# Altium PCB DIOT_Backplane.pcbdoc (part 1 of 11)
Units mm, origin at the board's own origin, x right, y up, seen from the top; angles counter-clockwise.
Board outline 304.8 x 128.5 mm, 14 copper layers (Top Layer, L2, L3GND, L4, L5GND, L6, L7GND, L8, L9GND, L10, L11GND, L12, L13GND, Bottom Layer), stack 4.06 mm thick; 141 components, 1224 nets, 5318 pads, 471 vias.
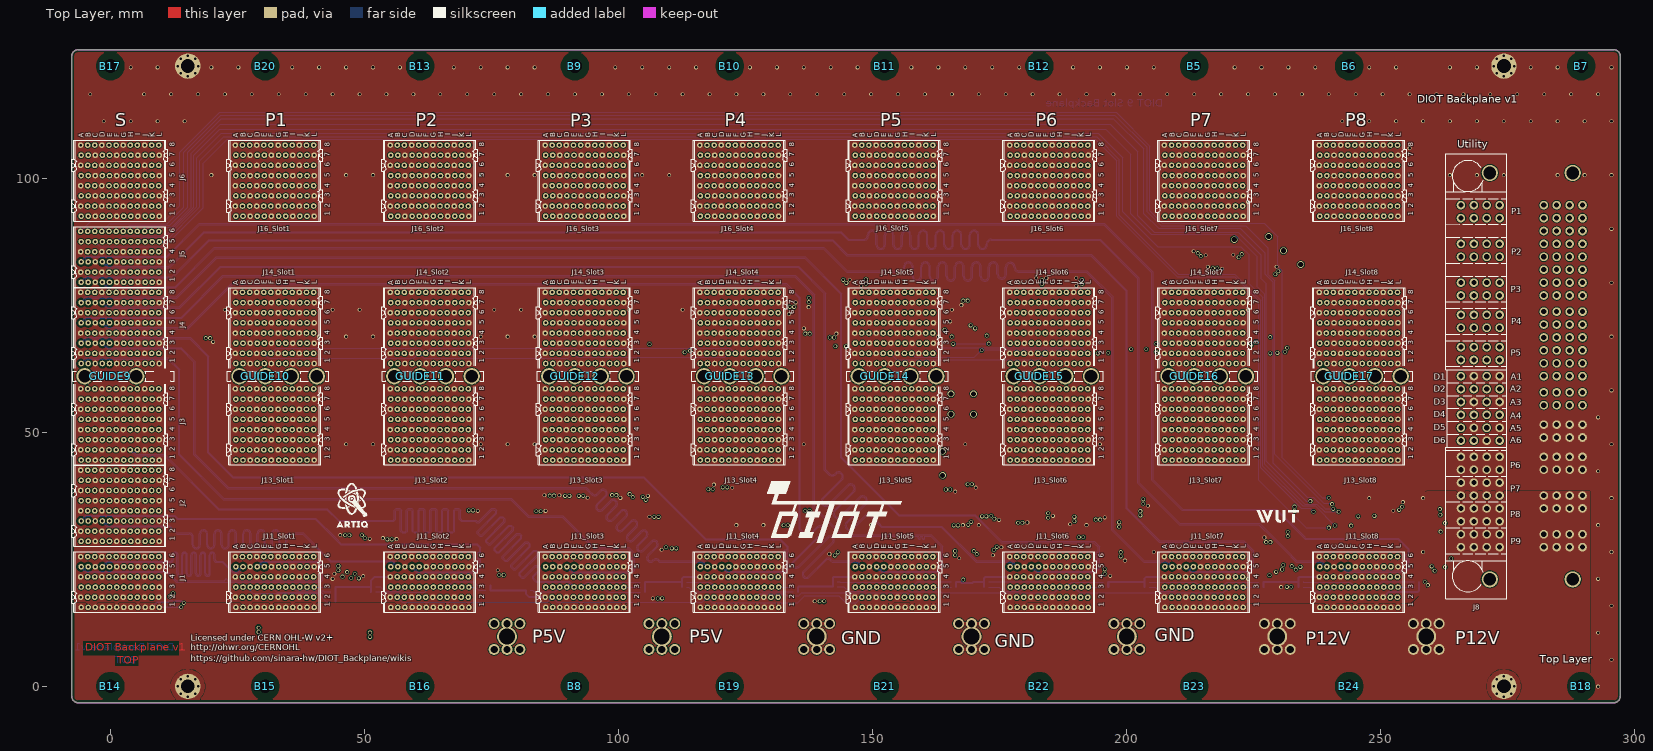
[diagram p0: Top Layer view]
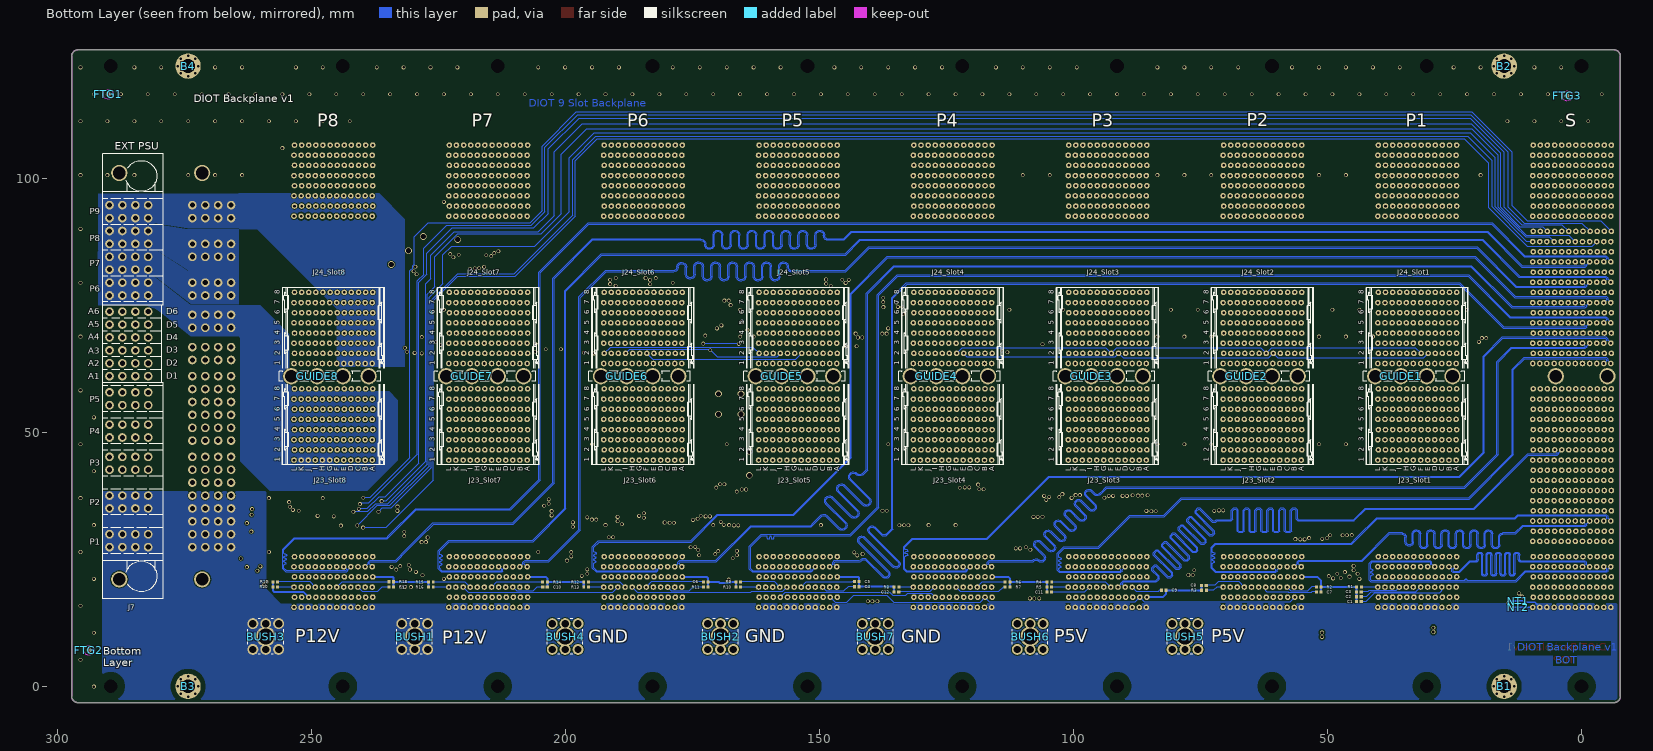
[diagram p1: Bottom Layer view, seen from below]
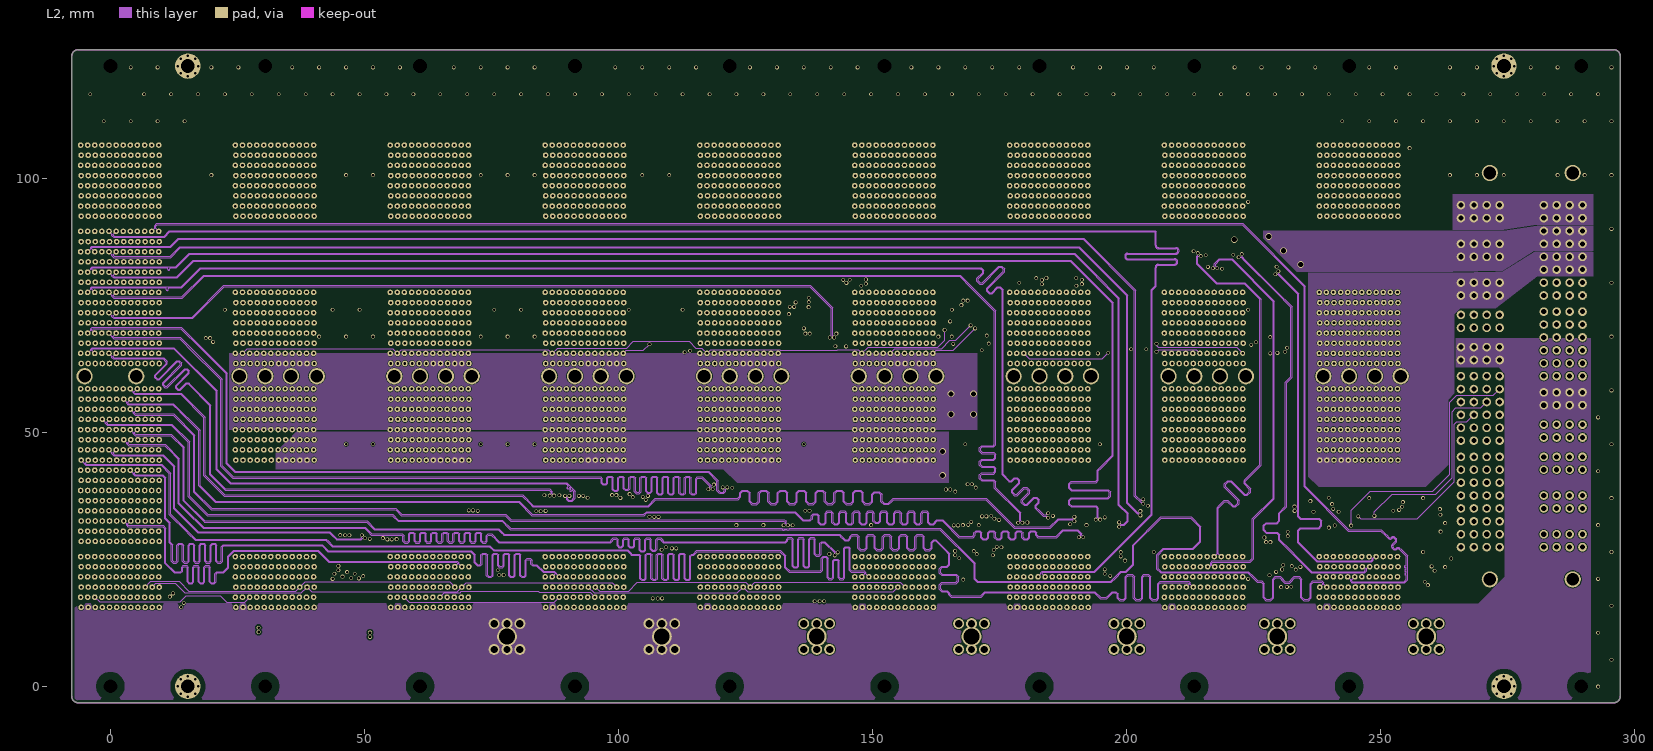
[diagram p2: L2]
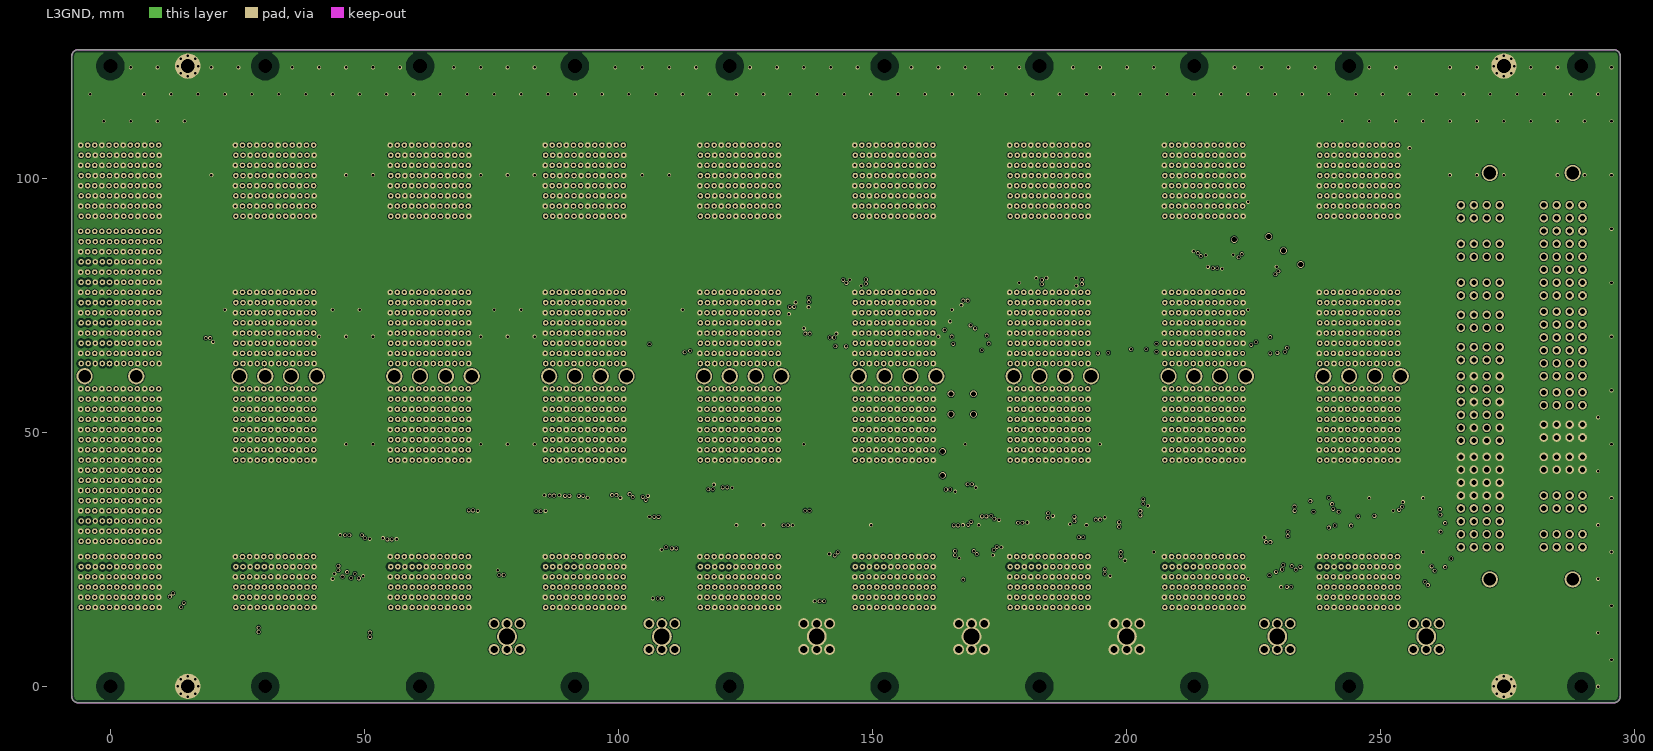
[diagram p3: L3GND]
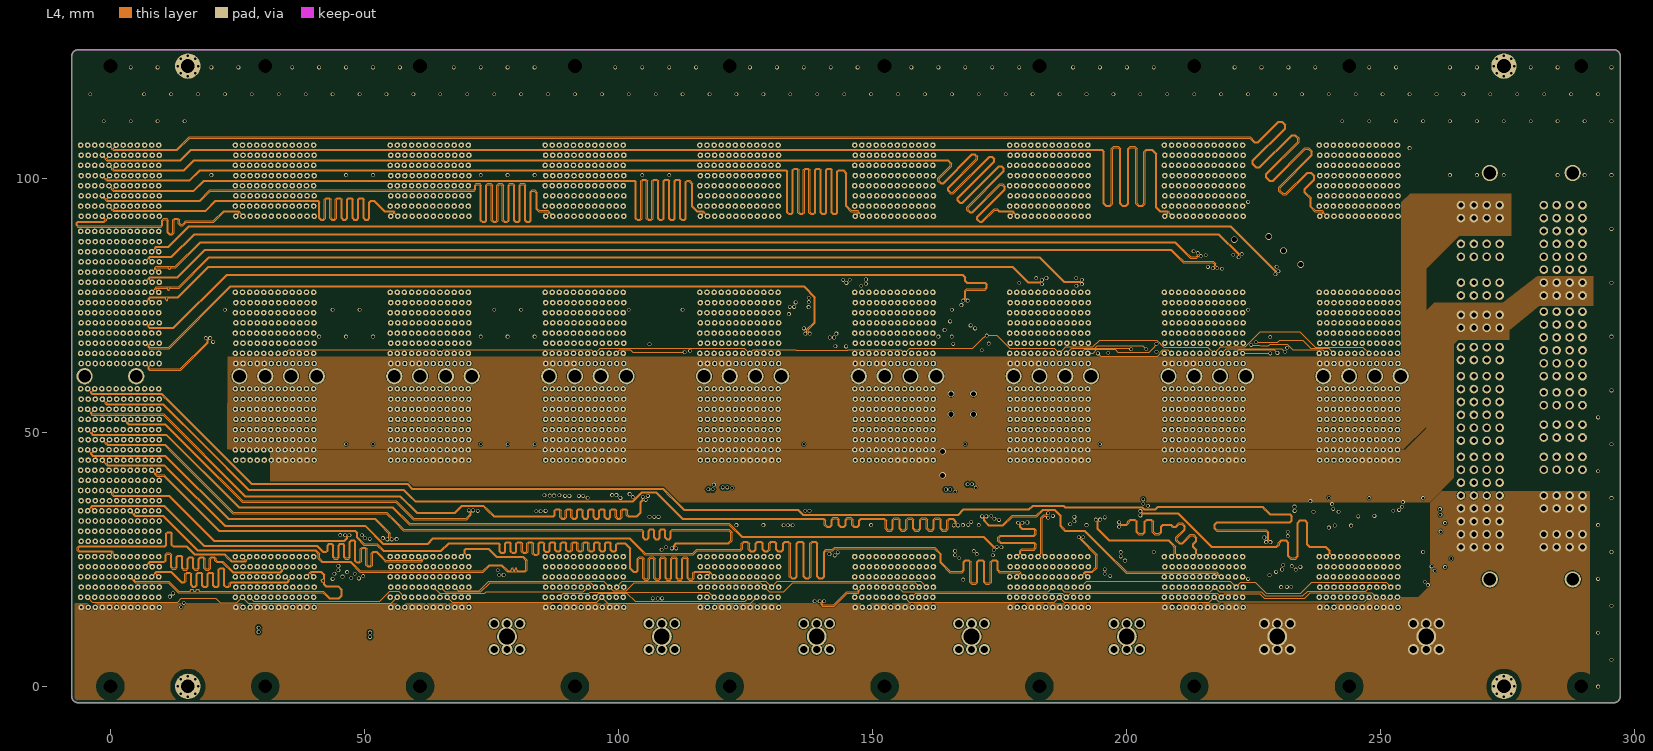
[diagram p4: L4]
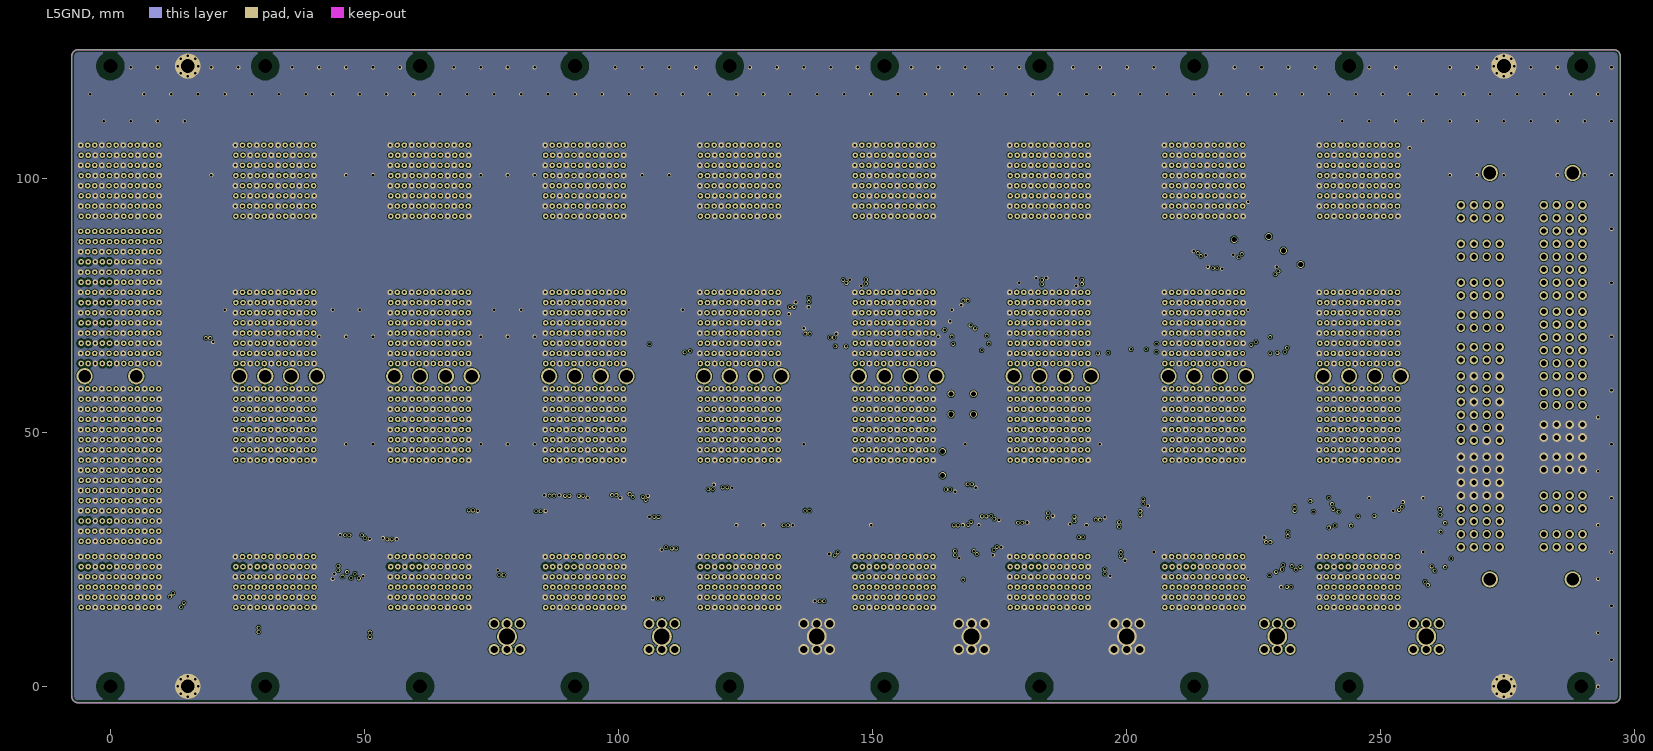
[diagram p5: L5GND]
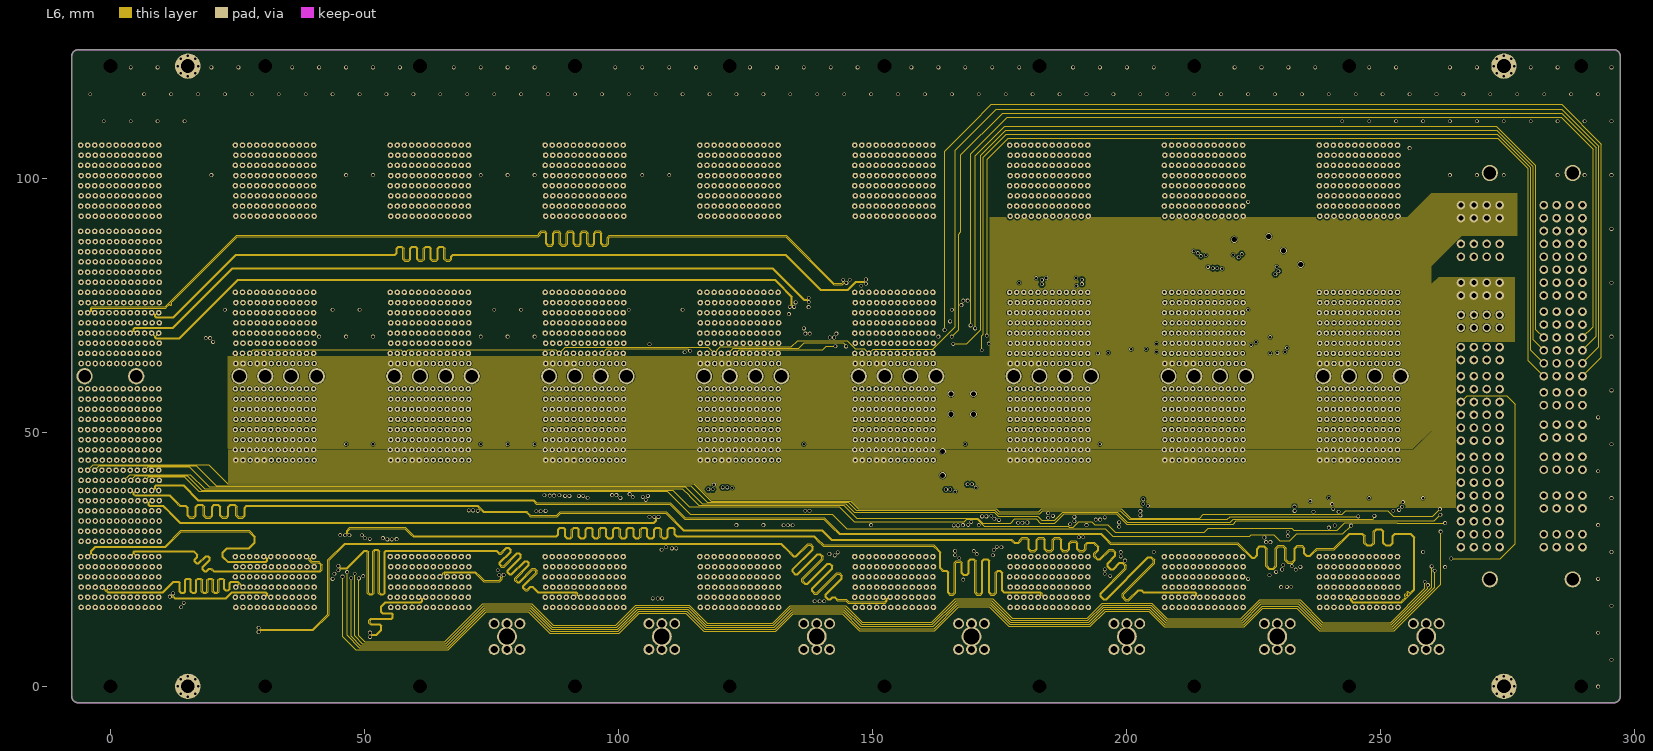
[diagram p6: L6]
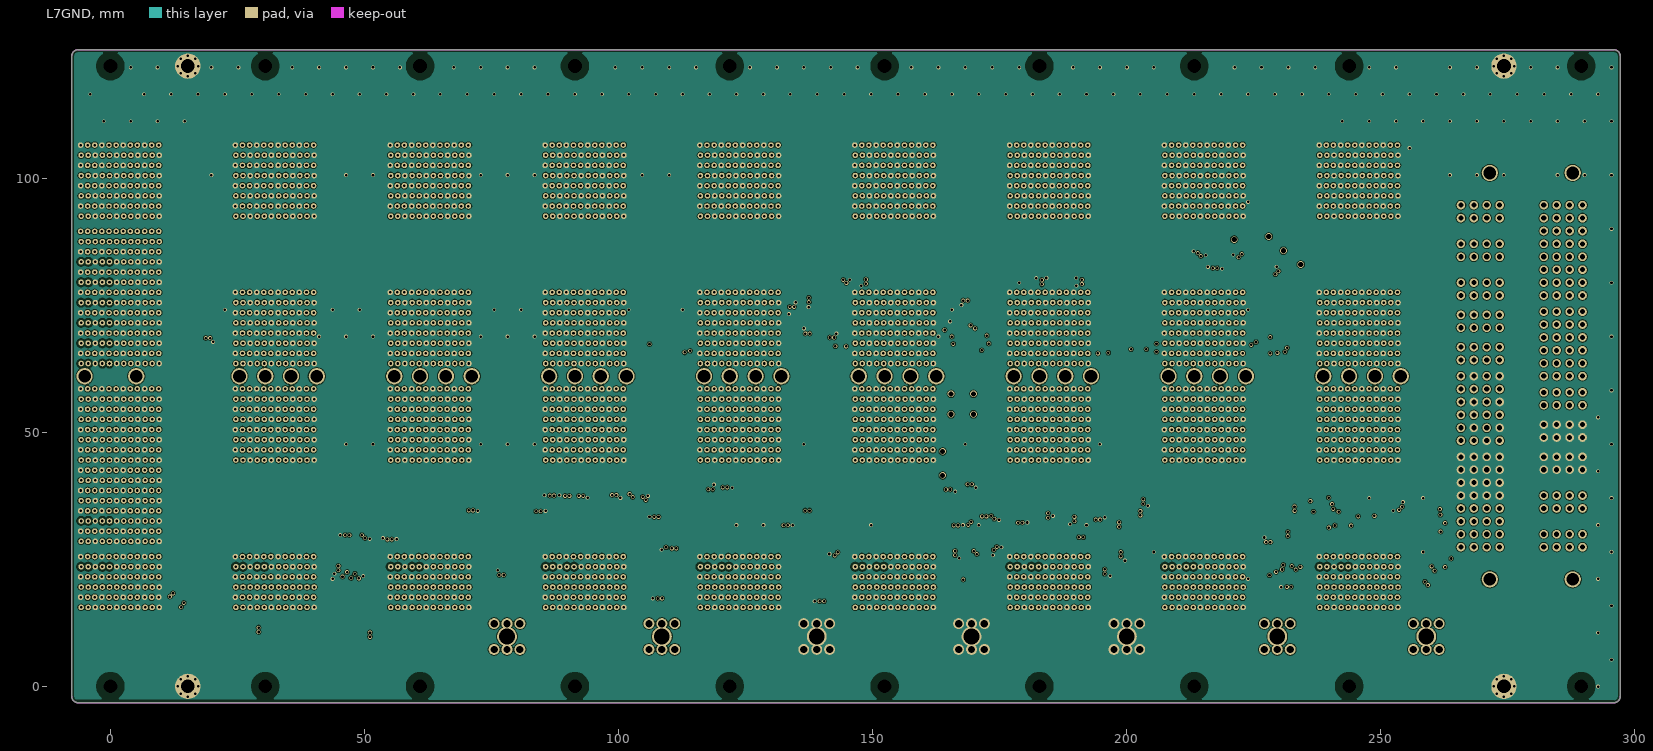
[diagram p7: L7GND]
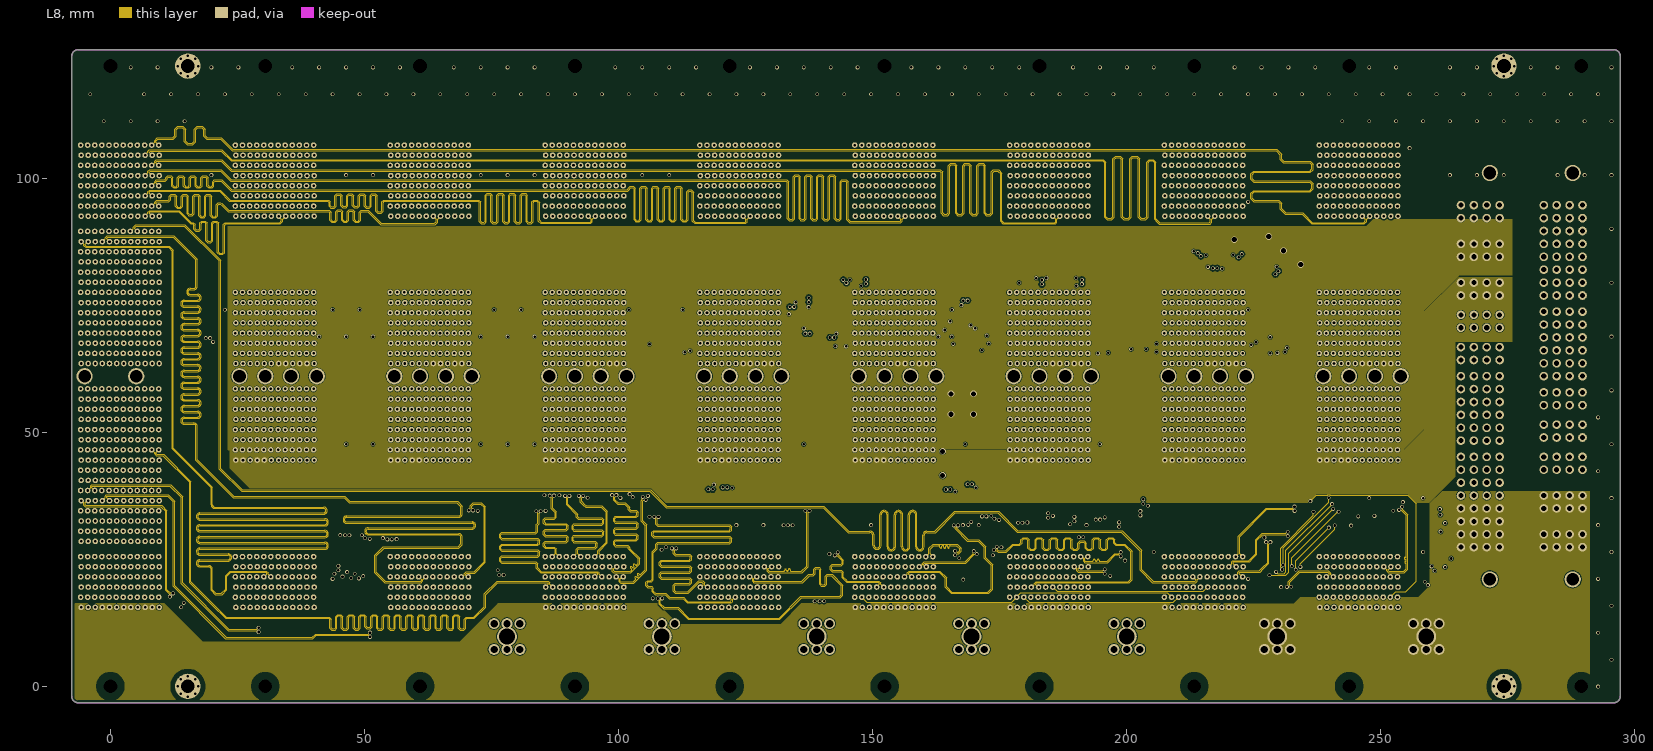
[diagram p8: L8]
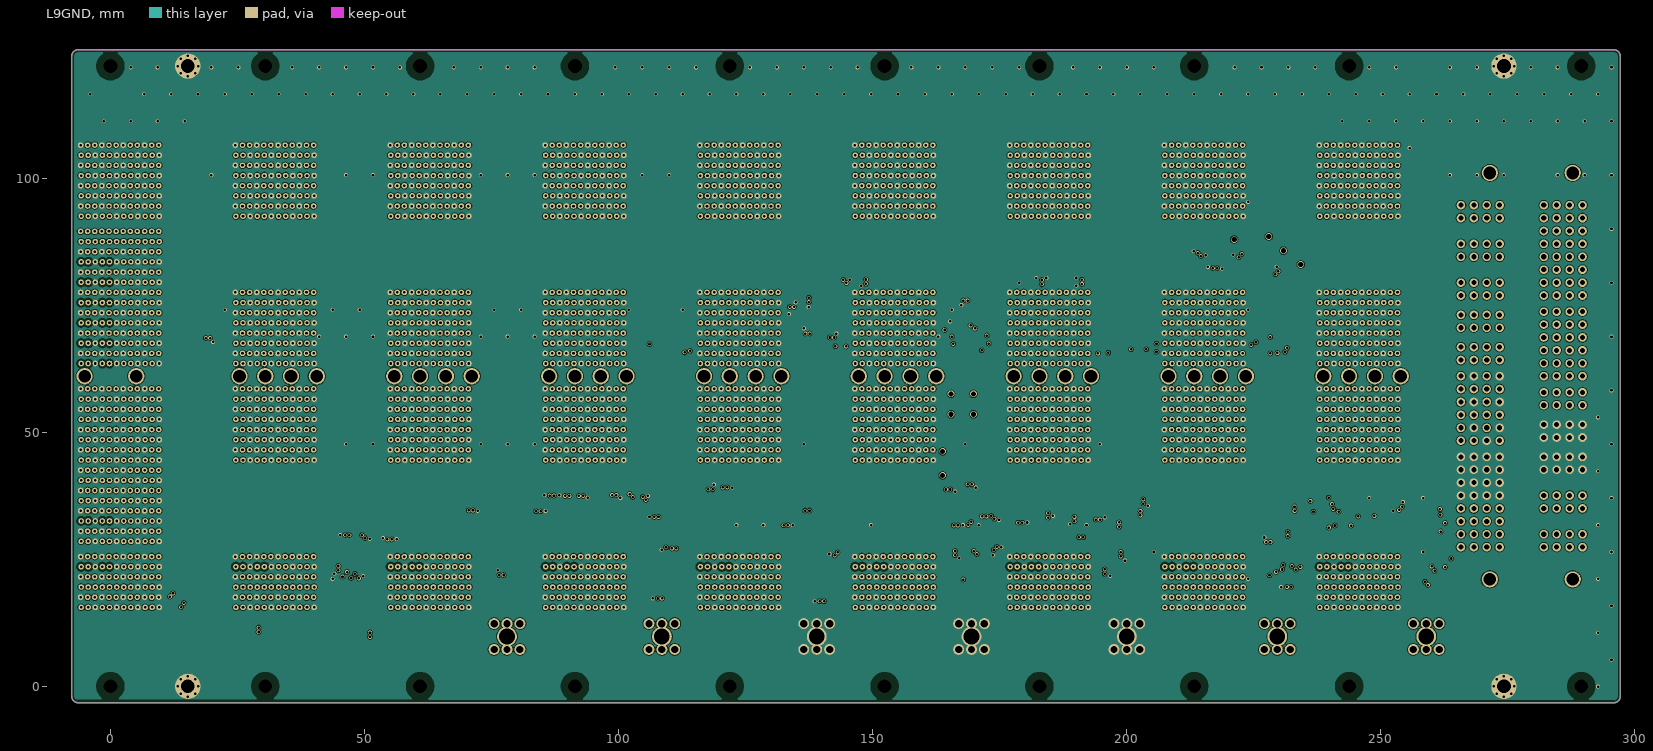
[diagram p9: L9GND]
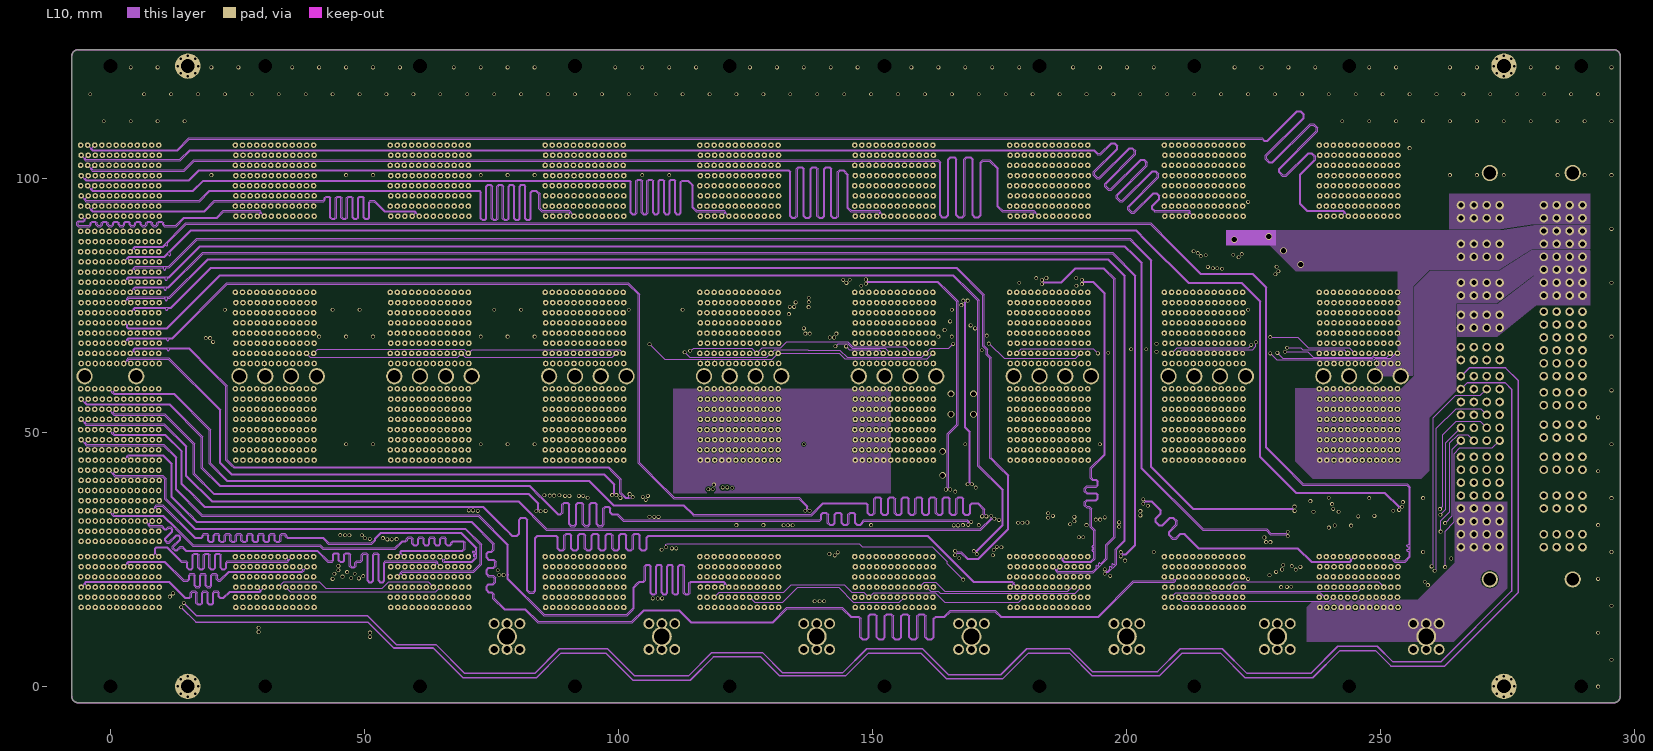
[diagram p10: L10]
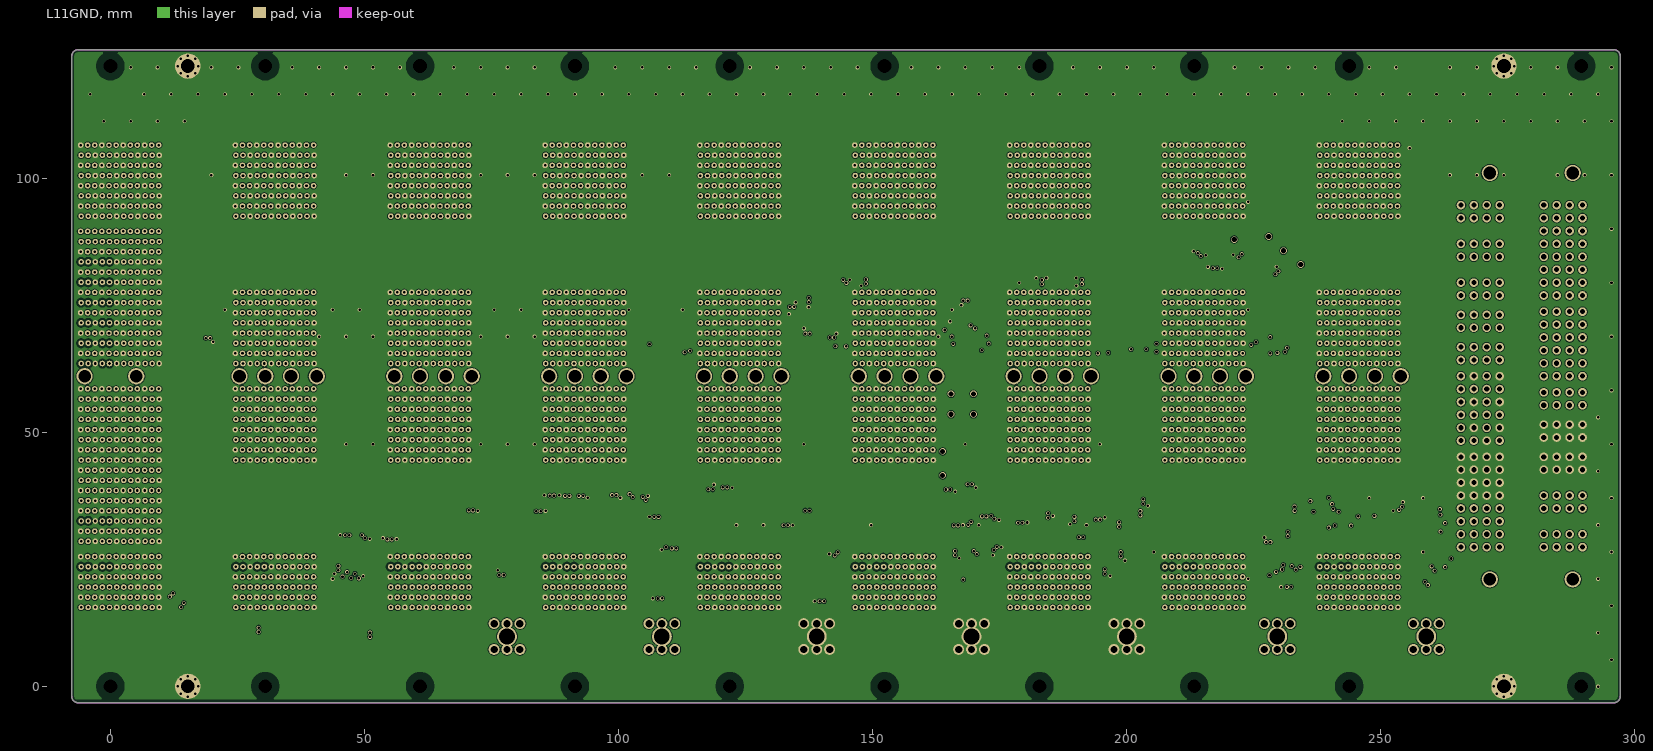
[diagram p11: L11GND]